# KiCad board EnvKB105-RPI.kicad_pcb (continued)
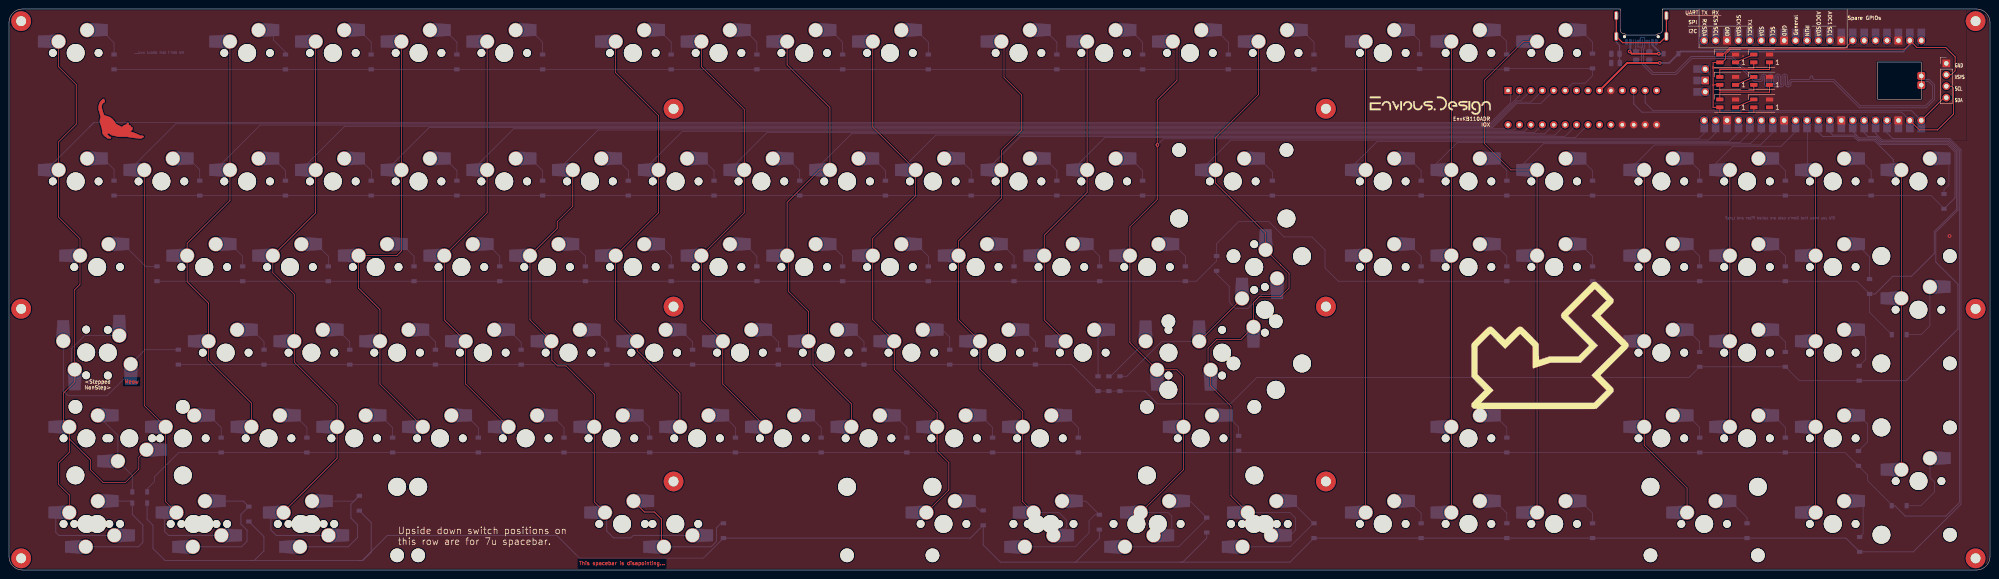
[diagram p0: board, top side]
## Nets
+3V3: U1.36
GND: C1.2 J1.1 R1.2 R5.1 R6.1 rgb1.2 rgb2.2 rgb3.2 rgb4.2 rgb5.2 rgb6.2 U1.3 U1.8 U1.13 U1.18 U1.23 U1.28 U1.33 U1.38 U2.10 U2.15 U2.16 U2.17 U2.18 USB1.A1 USB1.A12 USB1.B1 USB1.B12
VBUS: D1.2 USB1.A4 USB1.A9 USB1.B4 USB1.B9
col0: K_12.1 K_28.1 K_49.1 K_70.1 K_70B1.1 K_86.1 K_104.1 K_104B1.1 K_ANSI_1.1 U2.1
col1: K_29.1 K_87.1 K_105.1 K_105B1.1 U2.2
col2: K_13.1 K_30.1 K_50.1 K_71.1 K_88.1 U2.3
col3: K_14.1 K_31.1 K_51.1 K_72.1 K_89.1 K_106.1 K_106B1.1 U2.4
col4: K_15.1 K_32.1 K_52.1 K_73.1 K_90.1 U2.5
col5: K_16.1 K_33.1 K_53.1 K_74.1 K_91.1 U2.28
col6: K_34.1 K_54.1 K_75.1 K_92.1 K_107.1 K_107B1.1 U2.27
col7: K_17.1 K_35.1 K_55.1 K_76.1 K_93.1 U2.26
col8: K_18.1 K_36.1 K_56.1 K_77.1 K_94.1 U2.25
col9: K_19.1 K_37.1 K_57.1 K_78.1 K_95.1 U2.24
col10: K_20.1 K_38.1 K_58.1 K_79.1 K_96.1 K_108.1 U2.23
col11: K_21.1 K_39.1 K_59.1 K_80.1 K_97.1 K_108B1.1 K_109.1 U2.22
col12: K_22.1 K_40.1 K_60.1 K_81.1 U2.21
col13: K_23.1 K_61.1 K_82.1 K_98.1 K_109B1.1 K_110.1 U1.20
col14: K_24.1 K_41.1 K_62.1 K_111.1 K_111B1.1 K_ANSI_2.1 K_ANSI_3.1 U1.19
col15: K_25.1 K_42.1 K_63.1 K_112.1 U1.17
col16: K_26.1 K_43.1 K_64.1 K_99.1 K_113.1 U1.16
col17: K_27.1 K_44.1 K_65.1 K_114.1 U1.15
col19: K_45.1 K_66.1 K_83.1 K_100.1 K_115.1 U1.14
col20: K_46.1 K_67.1 K_84.1 K_101.1 U1.12
col21: K_47.1 K_68.1 K_85.1 K_102.1 K_116.1 U1.11
col22: K_48.1 K_69.1 K_103.1 U1.10
GP28-LED: rgb1.3 U1.34
I2C_SCL-1: J1.3 U1.2 U2.12
I2C_SDA-1: J1.4 U1.1 U2.13
row1: D_12.1 D_13.1 D_14.1 D_15.1 D_16.1 D_17.1 D_18.1 D_19.1 D_20.1 D_21.1 D_22.1 D_23.1 D_24.1 D_25.1 D_26.1 D_27.1 U2.6
row3: D_28.1 D_29.1 D_30.1 D_31.1 D_32.1 D_33.1 D_34.1 D_35.1 D_36.1 D_37.1 D_38.1 D_39.1 D_40.1 D_41.1 D_42.1 D_43.1 D_44.1 D_45.1 D_46.1 D_47.1 D_48.1 U1.9
row4: D_49.1 D_50.1 D_51.1 D_52.1 D_53.1 D_54.1 D_55.1 D_56.1 D_57.1 D_58.1 D_59.1 D_60.1 D_61.1 D_63.1 D_64.1 D_65.1 D_66.1 D_67.1 D_68.1 D_69.1 D_117.1 U1.7
row5: D_62.1 D_70.1 D_71.1 D_72.1 D_73.1 D_74.1 D_75.1 D_76.1 D_77.1 D_78.1 D_79.1 D_80.1 D_81.1 D_82.1 D_83.1 D_84.1 D_85.1 U1.6
row6: D_86.1 D_87.1 D_88.1 D_89.1 D_90.1 D_91.1 D_92.1 D_93.1 D_94.1 D_95.1 D_96.1 D_97.1 D_98.1 D_99.1 D_100.1 D_101.1 D_102.1 D_103.1 U1.5
row7: D_104.1 D_105.1 D_106.1 D_107.1 D_108.1 D_109.1 D_110.1 D_111.1 D_112.1 D_113.1 D_114.1 D_115.1 D_116.1 U1.4
USB_D+: U1.TP3 USB1.A6 USB1.B6
USB_D-: U1.TP2 USB1.A7 USB1.B7
VSYS: D1.1 J1.2 rgb1.4 rgb2.4 rgb3.4 rgb4.4 rgb5.4 rgb6.4 U1.39 U2.9
Net-(C1-Pad1): C1.1 R1.1 USB1.S1
Net-(D_12-Pad2): D_12.2 K_12.2
Net-(D_13-Pad2): D_13.2 K_13.2
Net-(D_14-Pad2): D_14.2 K_14.2
Net-(D_15-Pad2): D_15.2 K_15.2
Net-(D_16-Pad2): D_16.2 K_16.2
Net-(D_17-Pad2): D_17.2 K_17.2
Net-(D_18-Pad2): D_18.2 K_18.2
Net-(D_19-Pad2): D_19.2 K_19.2
Net-(D_20-Pad2): D_20.2 K_20.2
Net-(D_21-Pad2): D_21.2 K_21.2
Net-(D_22-Pad2): D_22.2 K_22.2
Net-(D_23-Pad2): D_23.2 K_23.2
Net-(D_24-Pad2): D_24.2 K_24.2
Net-(D_25-Pad2): D_25.2 K_25.2
Net-(D_26-Pad2): D_26.2 K_26.2
Net-(D_27-Pad2): D_27.2 K_27.2
Net-(D_28-Pad2): D_28.2 K_28.2
Net-(D_29-Pad2): D_29.2 K_29.2
Net-(D_30-Pad2): D_30.2 K_30.2
Net-(D_31-Pad2): D_31.2 K_31.2
Net-(D_32-Pad2): D_32.2 K_32.2
Net-(D_33-Pad2): D_33.2 K_33.2
Net-(D_34-Pad2): D_34.2 K_34.2
Net-(D_35-Pad2): D_35.2 K_35.2
Net-(D_36-Pad2): D_36.2 K_36.2
Net-(D_37-Pad2): D_37.2 K_37.2
Net-(D_38-Pad2): D_38.2 K_38.2
Net-(D_39-Pad2): D_39.2 K_39.2
Net-(D_40-Pad2): D_40.2 K_40.2
Net-(D_41-Pad2): D_41.2 K_41.2
Net-(D_42-Pad2): D_42.2 K_42.2
Net-(D_43-Pad2): D_43.2 K_43.2
Net-(D_44-Pad2): D_44.2 K_44.2
Net-(D_45-Pad2): D_45.2 K_45.2
Net-(D_46-Pad2): D_46.2 K_46.2
Net-(D_47-Pad2): D_47.2 K_47.2
Net-(D_48-Pad2): D_48.2 K_48.2
Net-(D_49-Pad2): D_49.2 K_49.2
Net-(D_50-Pad2): D_50.2 K_50.2
Net-(D_51-Pad2): D_51.2 K_51.2
Net-(D_52-Pad2): D_52.2 K_52.2
Net-(D_53-Pad2): D_53.2 K_53.2
Net-(D_54-Pad2): D_54.2 K_54.2
Net-(D_55-Pad2): D_55.2 K_55.2
Net-(D_56-Pad2): D_56.2 K_56.2
Net-(D_57-Pad2): D_57.2 K_57.2
Net-(D_58-Pad2): D_58.2 K_58.2
Net-(D_59-Pad2): D_59.2 K_59.2
Net-(D_60-Pad2): D_60.2 K_60.2
Net-(D_61-Pad2): D_61.2 K_61.2
Net-(D_62-Pad2): D_62.2 K_62.2 K_ANSI_2.2
Net-(D_63-Pad2): D_63.2 K_63.2
Net-(D_64-Pad2): D_64.2 K_64.2
Net-(D_65-Pad2): D_65.2 K_65.2
Net-(D_66-Pad2): D_66.2 K_66.2
Net-(D_67-Pad2): D_67.2 K_67.2
Net-(D_68-Pad2): D_68.2 K_68.2
Net-(D_69-Pad2): D_69.2 K_69.2
Net-(D_70-Pad2): D_70.2 K_70.2 K_70B1.2
Net-(D_71-Pad2): D_71.2 K_71.2
Net-(D_72-Pad2): D_72.2 K_72.2
Net-(D_73-Pad2): D_73.2 K_73.2
Net-(D_74-Pad2): D_74.2 K_74.2
Net-(D_75-Pad2): D_75.2 K_75.2
Net-(D_76-Pad2): D_76.2 K_76.2
Net-(D_77-Pad2): D_77.2 K_77.2
Net-(D_78-Pad2): D_78.2 K_78.2
Net-(D_79-Pad2): D_79.2 K_79.2
Net-(D_80-Pad2): D_80.2 K_80.2
Net-(D_81-Pad2): D_81.2 K_81.2
Net-(D_82-Pad2): D_82.2 K_82.2
Net-(D_83-Pad2): D_83.2 K_83.2
Net-(D_84-Pad2): D_84.2 K_84.2
Net-(D_85-Pad2): D_85.2 K_85.2
Net-(D_86-Pad2): D_86.2 K_86.2 K_ANSI_1.2
Net-(D_87-Pad2): D_87.2 K_87.2
Net-(D_88-Pad2): D_88.2 K_88.2
Net-(D_89-Pad2): D_89.2 K_89.2
Net-(D_90-Pad2): D_90.2 K_90.2
Net-(D_91-Pad2): D_91.2 K_91.2
Net-(D_92-Pad2): D_92.2 K_92.2
Net-(D_93-Pad2): D_93.2 K_93.2
Net-(D_94-Pad2): D_94.2 K_94.2
Net-(D_95-Pad2): D_95.2 K_95.2
Net-(D_96-Pad2): D_96.2 K_96.2
Net-(D_97-Pad2): D_97.2 K_97.2
Net-(D_98-Pad2): D_98.2 K_98.2
Net-(D_99-Pad2): D_99.2 K_99.2
Net-(D_100-Pad2): D_100.2 K_100.2
Net-(D_101-Pad2): D_101.2 K_101.2
Net-(D_102-Pad2): D_102.2 K_102.2
Net-(D_103-Pad2): D_103.2 K_103.2
Net-(D_104-Pad2): D_104.2 K_104.2 K_104B1.2
Net-(D_105-Pad2): D_105.2 K_105.2 K_105B1.2
Net-(D_106-Pad2): D_106.2 K_106.2 K_106B1.2
Net-(D_107-Pad2): D_107.2 K_107.2 K_107B1.2
Net-(D_108-Pad2): D_108.2 K_108.2
Net-(D_109-Pad2): D_109.2 K_108B1.2 K_109.2
Net-(D_110-Pad2): D_110.2 K_109B1.2 K_110.2
Net-(D_111-Pad2): D_111.2 K_111.2 K_111B1.2
Net-(D_112-Pad2): D_112.2 K_112.2
Net-(D_113-Pad2): D_113.2 K_113.2
Net-(D_114-Pad2): D_114.2 K_114.2
Net-(D_115-Pad2): D_115.2 K_115.2
Net-(D_116-Pad2): D_116.2 K_116.2
Net-(D_117-Pad2): D_117.2 K_ANSI_3.2
Net-(R5-Pad2): R5.2 USB1.A5
Net-(R6-Pad2): R6.2 USB1.B5
Net-(rgb1-Pad1): rgb1.1 rgb2.3
Net-(rgb2-Pad1): rgb2.1 rgb3.3
Net-(rgb3-Pad1): rgb3.1 rgb4.3
Net-(rgb4-Pad1): rgb4.1 rgb5.3
Net-(rgb5-Pad1): rgb5.1 rgb6.3

Pads without a net: H1 1; H2 1; H3 1; H4 1; H5 1; H6 1; H7 1; H8 1; H9 1; H10 1; H11 1; H12 1; rgb6 1; U1 21 22 24 25 26 27 29 30 31 32 35 37 40 41 42 43; U2 7 8 11 14 19 20; USB1 A8 B8

## Via types
v1: diameter 0.8, hole 0.4, Top to Bottom, 5 vias
v2: diameter 0.4, hole 0.2, Top to Bottom, 1 via

## Routing (per net, layer and track width the routed paths; a pad name or vN(x,y) marks a point on that pad's centre or on a via; arc(x,y) is an arc through that point)
GND:
  vias: v1(431.3,74.3) v2(385.39,114.31)
VBUS: length 13.1
  Top w0.4: v1(360.2,115.35) 360.7,114.85 v1(366.7,114.85)
  Bottom w0.4: USB1.A4 360.35,115.5 v1(360.2,115.35) ; USB1.A9 365.25,116.79 366.7,115.34 v1(366.7,114.85) D1.2
col0: length 511.1
  Top w0.15: 13.4,29.2 18.08,24.51 18.08,22.31 20.88,19.51 25.91,19.51 28.86,22.46 28.86,25.08 30.55,26.77 ; 13.4,29.2 K_86.1 12.1,33.14 12.1,39.35 14.61,41.86 K_70B1.1 14.61,62.36 15.78,63.53 K_49.1 15.78,73.72 11.02,78.48 K_28.1 11.02,95.25 14.94,99.18 14.94,108.01 11.02,111.93 K_12.1 ; 13.4,29.2 13.4,26.18 11.04,23.82 11.04,19.06 13.4,16.7 K_104.1
  Bottom w0.15: 17.95,98.63 18.85,99.52 ; 17.95,98.63 8.31,88.99 ; 17.95,98.63 18.86,99.54 329.34,99.54 333.71,103.91 333.71,106.13 ; K_70.1 16.81,52.16 13.85,49.2 13.85,45.35 K_70B1.1
  Bottom w0.2: K_104.1 10.4,11.59 10.4,8.4 11.09,7.71 K_104B1.1
col1: length 412.5
  Top w0.15: K_29.1 30.07,36.6 K_87.1 34.83,15.17 K_105.1
  Bottom w0.15: 26.79,88.99 37.06,99.26 329.45,99.26 335.72,105.53 U2.2
  Bottom w0.2: K_105B1.1 35.44,7.71 34.6,8.55 34.6,11.98
col2: length 395.3
  Top w0.15: K_88.1 53.88,37.15 44.35,46.68 K_71.1 44.35,59.37 39.59,64.13 K_50.1 39.59,72.67 49.12,82.19 49.12,117.56
  Bottom w0.15: U2.3 335.97,104.37 334.95,104.37 329.57,98.99 55.84,98.99 45.84,88.99
col3: length 418.8
  Top w0.15: K_14.1 K_31.1 68.17,79.46 K_51.1 58.64,66.11 63.4,61.35 K_72.1 63.4,46.27 72.93,36.74 K_89.1 72.93,24.85 61.02,12.94
  Bottom w0.15: U2.4 338.23,104.1 335.07,104.1 329.68,98.71 74.61,98.71 64.89,88.99
  Bottom w0.2: K_106B1.1 59.39,7.71 58.2,8.9 58.2,11.77
col4: length 367.3
  Top w0.15: K_15.1 K_32.1 87.22,70.96 86.19,69.94 K_52.1 77.69,62.7 82.45,57.94 K_73.1 82.45,41.36 K_90.1
  Bottom w0.15: U2.5 340.5,103.82 335.18,103.82 329.79,98.43 93.38,98.43 83.94,88.99
col5: length 329.9
  Top w0.15: K_91.1 101.5,41.36 K_74.1 96.74,55.65 K_53.1 106.27,79.46 K_33.1 K_16.1
  Bottom w0.15: U2.28 332.29,98.16 112.16,98.16 102.99,88.99
col6: length 329.5
  Top w0.15: K_34.1 125.32,80.93 121.84,77.46 121.84,75.99 K_54.1 115.79,55.65 K_75.1 ; 120.66,50.78 120.66,46.67 121.94,45.39 123.82,45.39 130.08,39.13 K_92.1 130.08,15.17 K_107.1
  Bottom w0.15: 122.04,88.99 130.93,97.88 334.56,97.88 U2.27
  Bottom w0.2: 132.85,12.4 132.85,8.65 134.35,7.15 138.2,7.15 138.76,7.71 K_107B1.1
col7: length 300.9
  Top w0.15: K_93.1 149.13,39.25 139.6,48.78 K_76.1 134.84,55.65 K_55.1 144.37,79.46 K_35.1 144.37,101.09 134.84,110.62 K_17.1
  Bottom w0.15: 141.09,88.99 149.7,97.6 336.82,97.6 U2.26
col8: length 284.3
  Top w0.15: K_94.1 158.65,41.36 K_77.1 153.89,55.65 K_56.1 163.42,79.46 K_36.1 163.42,102.45 153.89,111.98 K_18.1
  Bottom w0.15: 160.14,88.99 168.46,97.31 184.58,97.31 184.6,97.33 339.08,97.33 U2.25
col9: length 267.3
  Top w0.15: 173.3,69.58 173.3,61.9 177.7,57.5 K_78.1 ; K_95.1 187.23,36.97 178.7,45.5 178.7,49.89 ; K_57.1 172.94,81.76 180.17,88.99 K_37.1 182.46,102.88 172.94,112.4 K_19.1
  Bottom w0.15: 179.19,88.99 187.25,97.05 341.35,97.05 U2.24
col10: length 273.5
  Top w0.15: K_108.1 208.9,17.79 208.9,23.9 206.28,26.52 206.28,28.13 ; K_20.1 191.99,98.52 K_38.1 201.51,83.28 191.99,73.76 K_58.1 191.99,55.65 K_79.1 196.75,44.62 206.28,35.09 K_96.1
  Top w0.2: 206.28,28.13 K_96.1
  Bottom w0.15: 198.24,88.99 206.01,96.76 343.59,96.76 U2.23
col11: length 266.9
  Top w0.15: K_109.1 225.33,15.17 K_97.1 225.33,35.17 215.8,44.7 K_80.1 211.04,55.65 K_59.1 211.04,73.2 220.56,82.72 K_39.1 220.56,93.31 225.1,97.85 225.1,105.65 221.15,109.6 221.15,116.97 K_21.1
  Bottom w0.15: 233.26,7.71 235.1,9.55 235.1,11.05 233.36,12.79 K_109.1 ; U2.22 345.86,96.48 224.78,96.48 217.29,88.99
col12: length 191.4
  Top w0.15: K_22.1 K_40.1 239.62,83.97 230.09,74.45 K_60.1 230.09,55.65 K_81.1
  Bottom w0.15: U2.21 348.12,96.2 243.55,96.2 236.34,88.99
col13: length 257.3
  Top w0.15: 259.6,116.62 259.6,108.91 255.2,104.51 255.2,94.6 v1(255.25,94.55) 255.2,94.5 255.2,82.39 249.14,76.33 K_61.1 249.14,50.57 K_82.1 259.61,44.54 261.05,43.1 K_98.1 261.05,22.31 K_110.1
  Bottom w0.15: K_110.1 257.61,12.79 258.45,11.95 258.45,9.4 256.76,7.71 ; v1(255.25,94.55) 256.63,95.93 375.53,95.93 376.77,97.17 U1.20
col14: length 267.7
  Top w0.15: K_ANSI_2.1 267.08,40.97 271.6,36.45 271.6,16.52 K_111.1 ; 266.5,45.11 266.5,49.35 268.45,51.3 273.83,51.3 K_62.1 276.6,59.5 277.95,60.85 282.65,60.85 284.5,62.7 284.5,66 282.65,67.84 282.65,67.85 K_ANSI_3.1 279.3,74.96 268.19,86.07 K_41.1 268.19,96.21 277.71,105.73 K_24.1
  Bottom w0.15: 264.91,88.99 271.57,95.65 377.75,95.65 379.31,97.21 U1.19 ; 284.76,7.71 285.95,8.9 285.95,11.55 284.71,12.79 K_111.1
col15: length 196.8
  Top w0.15: K_112.1 K_25.1
  Bottom w0.15: 298.25,89.48 304.15,95.37 382.42,95.37 384.39,97.35 U1.17
col16: length 181.4
  Top w0.15: K_26.1 K_113.1
  Bottom w0.15: U1.16 386.93,97.33 384.7,95.1 321.91,95.1 317.3,90.49 317.3,88.99
col17: length 179.3
  Top w0.15: K_44.1 333.81,88.99 327.9,94.9 327.9,108.9 336.56,117.56 K_27.1 ; 339.63,89.83 K_114.1
  Bottom w0.15: 336.35,90.13 341.05,94.82 387.02,94.82 389.47,97.27 U1.15
col19: length 118.1
  Top w0.15: K_115.1 372.96,18.25 363.44,27.78 K_100.1 K_45.1
  Bottom w0.15: U1.14 392.01,97.31 389.24,94.54 365.72,94.54 360.16,88.99
col20: length 81.8
  Top w0.15: K_101.1 K_46.1
  Bottom w0.15: 379.21,88.99 379.21,90.31 383.17,94.27 393.87,94.27 397.09,97.49 U1.12
col21: length 87.1
  Top w0.15: K_47.1 K_116.1
  Bottom w0.15: K_47.1 399.74,99.9
col22: length 90.8
  Top w0.15: K_103.1 420.61,88.97
  Bottom w0.15: K_48.1 418.79,90.96
  Bottom w0.2: 418.79,90.96 418.79,91.34 414.66,95.47 410.96,95.47 410,96.42 403.13,96.42 402.17,97.38 U1.10
GP28-LED: length 30.8
  Top w0.2: rgb1.3 380.96,114.67 382.49,116.2 408.2,116.2 U1.34
I2C_SCL-1: length 85.5
  Top w0.2: J1.3 431.78,107.62 432.2,107.2 432.2,101.45 428.65,97.9 424.6,97.9 U1.2
  Bottom w0.2: U1.2 420.65,101.85 362.95,101.85 361.12,103.68 U2.12
I2C_SDA-1: length 72.9
  Top w0.2: U1.1 430.1,105.08
  Bottom w0.2: U2.13 363.66,103.94 365.42,102.18 422.86,102.18 U1.1
row1: length 337.3
  Bottom w0.15: 23.4,111.37 D_13.1 313.44,111.37 ; U2.6 347.52,108.3 350.3,108.3 351.95,109.95 D_27.1 333.07,111.58 ; 313.58,111.4 D_26.1
row3: length 453.8
  Bottom w0.15: 430.07,80.43 427.2,83.3 D_28.1
  Bottom w0.2: U1.9 404.71,97.39 405.35,96.75 410.14,96.75 411.09,95.8 414.79,95.8 415.95,94.64 430.86,94.64 432.52,92.98 432.52,82.79 D_48.1
row4: length 480.4
  Bottom w0.15: D_68.1 410.7,64.25 D_63.1 295.45,64.25 292.5,67.2 292.5,71.2 289.6,74.1 283.4,74.1 280,77.5 273.3,77.5 268.4,72.6 D_117.1 268.4,68.75 263.9,64.25 D_61.1 D_49.1 ; 410.57,96.77 409.6,97.75 ; 413.5,61.39 413.5,57.34 D_69.1
  Bottom w0.2: 410.57,96.77 410.68,96.67 ; 410.68,96.67 411.23,96.12 414.93,96.12 416.08,94.97 430.99,94.97 432.85,93.12 432.85,80.21 427.92,75.29 427.92,70.42 422.85,65.35 418.7,65.35 414.77,61.42 D_68.1 ; 410.68,96.67 409.6,97.75 409.79,97.94 U1.7
row5: length 477.6
  Bottom w0.15: 375.77,45.19 373.72,43.15 373.72,43.15 373.37,42.8 277.3,42.8 271.45,36.95 255.3,36.95 252.45,39.8 D_81.1 236.15,45.7 D_70.1 ; D_85.1 397.91,42.11 D_84.1 D_83.1
  Bottom w0.2: U1.6 412.33,97.27 413.15,96.45 415.06,96.45 416.22,95.3 431.13,95.3 433.17,93.25 433.17,80.07 428.25,75.15 428.25,68.5 433.17,63.58 433.17,53.62 421.66,42.11 D_85.1
row6: length 516.7
  Bottom w0.15: 418.46,14.5 413.1,19.86 413.1,21.12 D_102.1 408.07,26.15 374.64,26.15 374.62,26.17 374.6,26.15 37.75,26.15 32.33,20.72 32.33,19.65 30.7,18.03 D_86.1
  Bottom w0.2: D_103.1 419.15,14.3 421.45,12 430.5,12 433.5,15 433.5,93.39 431.26,95.62 416.35,95.62 414.87,97.1 U1.5
row7: length 579
  Bottom w0.15: 125.9,3.55 126.8,2.65 154.35,2.65 154.98,3.28
  Bottom w0.2: 154.98,3.28 D_107.1 213.68,7.1 D_108.1 216.52,5.57 220.35,1.75 236.95,1.75 ; 260.35,1.75 260.89,1.75 266.2,7.06 D_110.1 ; 260.35,1.75 284.7,1.75 D_111.1 D_112.1 D_113.1 D_114.1 D_115.1 408.27,7.1 D_116.1 423.24,4.04 433.85,14.65 433.85,93.5 431.4,95.95 418.7,95.95 417.41,97.24 U1.4 ; 260.35,1.75 236.95,1.75 ; 53.7,2.1 77.75,2.1 ; 53.7,2.1 34.7,2.1 32,4.8 32,9.95 30.7,11.25 D_104.1 ; 53.7,2.1 54.5,2.1 56.65,4.25 56.65,7.45 D_105.1 ; 77.75,2.1 78.5,2.1 84.1,7.7 121.75,7.7 125.9,3.55 ; 77.75,2.1 78.65,2.1 80.5,3.95 80.5,10.55 D_106.1 ; 236.95,1.75 237.07,1.75 242.35,7.03 D_109.1
USB_D+: length 103.1
  Bottom w0.2: USB1.A6 362.55,118.5 363.55,118.5 USB1.B6 363.55,116.15 363.27,115.88 363.27,112.84 365.44,110.67 370.31,110.67 373.86,114.22 382.99,114.22 388.1,109.12 389.23,109.12 arc(389.35,109.17) 389.4,109.28 389.4,109.71 arc(389.58,110.14) 390.01,110.32 arc(390.44,110.14) 390.62,109.71 390.62,108.08 arc(390.67,107.96) 390.79,107.91 arc(390.9,107.96) 390.95,108.08 390.95,109.71 arc(391.13,110.14) 391.56,110.32 arc(392,110.14) 392.18,109.71 392.18,108.08 arc(392.22,107.96) 392.34,107.91 arc(392.46,107.96) 392.5,108.08 392.5,109.71 arc(392.68,110.14) 393.12,110.32 arc(393.55,110.14) 393.73,109.71 393.73,108.08 arc(393.78,107.96) 393.89,107.91 arc(394.01,107.96) 394.06,108.08 394.06,109.71 arc(394.24,110.14) 394.67,110.32 arc(395.11,110.14) 395.29,109.71 395.29,108.08 arc(395.33,107.96) 395.45,107.91 arc(395.56,107.96) 395.61,108.08 395.61,108.5 arc(395.79,108.94) 396.23,109.12 400.03,109.12 arc(400.24,109.21) 400.33,109.42 400.33,109.63 arc(400.42,109.84) 400.63,109.93 arc(400.84,109.84) 400.93,109.63 400.93,109.42 arc(401.02,109.21) 401.23,109.12 405.6,109.12 411.44,103.27 425.96,103.27 427.52,104.84 427.52,107.76 426.61,108.67 425.82,108.67 U1.TP3
USB_D-: length 103.2
  Bottom w0.2: U1.TP2 425.82,109.13 426.79,109.13 427.97,107.94 427.97,104.66 426.14,102.82 411.26,102.82 405.41,108.67 396.23,108.67 arc(396.11,108.62) 396.06,108.5 396.06,108.08 arc(395.88,107.64) 395.45,107.46 arc(395.01,107.64) 394.84,108.08 394.84,109.71 arc(394.79,109.82) 394.67,109.87 arc(394.56,109.82) 394.51,109.71 394.51,108.08 arc(394.33,107.64) 393.89,107.46 arc(393.46,107.64) 393.28,108.08 393.28,109.71 arc(393.23,109.82) 393.12,109.87 arc(393,109.82) 392.95,109.71 392.95,108.08 arc(392.77,107.64) 392.34,107.46 arc(391.91,107.64) 391.73,108.08 391.73,109.71 arc(391.68,109.82) 391.56,109.87 arc(391.45,109.82) 391.4,109.71 391.4,108.08 arc(391.22,107.64) 390.79,107.46 arc(390.35,107.64) 390.17,108.08 390.17,109.71 arc(390.13,109.82) 390.01,109.87 arc(389.89,109.82) 389.85,109.71 389.85,109.28 arc(389.67,108.85) 389.23,108.67 387.91,108.67 382.81,113.77 374.04,113.77 370.49,110.22 365.26,110.22 362.85,112.63 362.85,116.15 363.05,116.35 ; 363.05,116.35 USB1.A7 ; 363.05,116.35 362.05,116.35 USB1.B7
VSYS: length 181.3
  Top w0.2: rgb2.4 387.8,111.68 378.75,111.68 378.75,112 ; rgb6.4 387.8,101.75 380.25,101.75 rgb5.4 378.75,102.92 378.75,107.8 ; 378.75,107.8 378.75,112 ; 378.75,107.8 378.75,107.92 rgb3.4 380.25,106.63 387.8,106.63 rgb4.4 ; 378.75,112 378.75,112.92 rgb1.4 ; 380.77,112.92 381.55,113.7 381.55,114.8 382.62,115.87 421.37,115.87 422.49,116.99 U1.39 424.03,116.25 430.45,116.25 432.55,114.15 432.55,111.05 431.66,110.16 J1.2
  Top w0.4: U2.9 359.64,112.8 v1(366.9,112.8)
  Bottom w0.4: U1.39 422.49,116.84 420.99,115.34 371.54,115.34 D1.1 369,112.8 v1(366.9,112.8)
Net-(C1-Pad1): length 27.8
  Top w0.25: 357.22,123.32 357.22,118.72 358.64,117.3 366.95,117.3 USB1.S1 USB1.S1
  Bottom w0.25: C1.1 357.96,112.83 R1.1 357.96,116.69 357.22,117.42 357.22,118.72
Net-(D_12-Pad2): length 6.4
  Bottom w0.15: 20.67,119.95 23.35,117.27 23.35,114.67
Net-(D_13-Pad2): length 6.5
  Bottom w0.15: 58.77,120.1 58.77,117.91 61.45,115.22 D_13.2
Net-(D_14-Pad2): length 6.5
  Bottom w0.15: D_14.2 80.5,117.42 77.82,120.1
Net-(D_15-Pad2): length 6.5
  Bottom w0.15: 96.87,120.1 99.55,117.42 D_15.2
Net-(D_16-Pad2): length 6.5
  Bottom w0.15: 115.92,120.1 118.6,117.42 D_16.2
Net-(D_17-Pad2): length 6.5
  Bottom w0.15: D_17.2 147.18,117.42 144.49,120.1
Net-(D_18-Pad2): length 6.5
  Bottom w0.15: D_18.2 166.23,117.42 163.54,120.1
Net-(D_19-Pad2): length 6.5
  Bottom w0.15: D_19.2 185.27,117.42 182.59,120.1
Net-(D_20-Pad2): length 6.5
  Bottom w0.15: 201.64,120.1 204.32,117.42 D_20.2
Net-(D_21-Pad2): length 6.5
  Bottom w0.15: 230.22,120.1 232.9,117.42 D_21.2
Net-(D_22-Pad2): length 6.5
  Bottom w0.15: 249.27,120.1 251.95,117.42 D_22.2
Net-(D_23-Pad2): length 6.5
  Bottom w0.15: 268.32,120.1 271,117.42 D_23.2
Net-(D_24-Pad2): length 6.5
  Bottom w0.15: D_24.2 290.05,117.42 287.37,120.1
Net-(D_25-Pad2): length 6.3
  Bottom w0.15: D_25.2 313.52,117.76 311.18,120.1
Net-(D_26-Pad2): length 6.5
  Bottom w0.15: D_26.2 332.89,117.57 330.35,120.1
Net-(D_27-Pad2): length 6.3
  Bottom w0.15: D_27.2 351.95,117.43 349.28,120.1
Net-(D_28-Pad2): length 5.9
  Bottom w0.15: 20.93,91.53 23.35,89.11 D_28.2
Net-(D_29-Pad2): length 6
  Bottom w0.15: D_29.2 42.4,89.06 39.93,91.53
Net-(D_30-Pad2): length 6
  Bottom w0.15: D_30.2 61.45,88.85 58.77,91.53
Net-(D_31-Pad2): length 5.8
  Bottom w0.15: 77.82,91.53 80.61,88.74 80.61,87.07 80.5,86.96
Net-(D_32-Pad2): length 6
  Bottom w0.15: D_32.2 99.55,88.85 96.87,91.53
Net-(D_33-Pad2): length 6
  Bottom w0.15: D_33.2 118.6,88.85 115.92,91.53
Net-(D_34-Pad2): length 6
  Bottom w0.15: D_34.2 137.65,88.85 134.97,91.53
Net-(D_35-Pad2): length 6
  Bottom w0.15: 154.02,91.53 156.7,88.85 D_35.2
Net-(D_36-Pad2): length 6
  Bottom w0.15: D_36.2 175.75,88.85 173.07,91.53
Net-(D_37-Pad2): length 6
  Bottom w0.15: 192.12,91.53 194.8,88.85 D_37.2
Net-(D_38-Pad2): length 6
  Bottom w0.15: 211.17,91.53 213.85,88.85 D_38.2
Net-(D_39-Pad2): length 6
  Bottom w0.15: D_39.2 232.9,88.85 230.22,91.53
Net-(D_40-Pad2): length 6
  Bottom w0.15: D_40.2 251.95,88.85 249.27,91.53
Net-(D_41-Pad2): length 6.2
  Bottom w0.15: D_41.2 280.8,88.57 277.84,91.53
Net-(D_42-Pad2): length 6
  Bottom w0.15: 311.18,91.53 313.86,88.85 D_42.2
Net-(D_43-Pad2): length 6
  Bottom w0.15: D_43.2 332.91,88.85 330.23,91.53
Net-(D_44-Pad2): length 6
  Bottom w0.15: 349.28,91.53 351.96,88.85 D_44.2
Net-(D_45-Pad2): length 6
  Bottom w0.15: D_45.2 375.77,88.85 375.77,88.85 373.09,91.53
Net-(D_46-Pad2): length 6
  Bottom w0.15: 392.14,91.53 394.82,88.85 D_46.2
Net-(D_47-Pad2): length 6
  Bottom w0.15: 411.19,91.53 413.88,88.85 D_47.2
Net-(D_48-Pad2): length 7.4
  Bottom w0.15: 431.17,90.6 431.17,85.67 430.07,84.57 D_48.2
Net-(D_49-Pad2): length 9.5
  Bottom w0.15: D_49.2 30.36,67.55 25.43,72.48
Net-(D_50-Pad2): length 6
  Bottom w0.15: D_50.2 51.92,69.8 49.24,72.48
Net-(D_51-Pad2): length 6
  Bottom w0.15: D_51.2 70.98,69.8 68.29,72.48
Net-(D_52-Pad2): length 6
  Bottom w0.15: D_52.2 90.03,69.8 87.34,72.48
Net-(D_53-Pad2): length 6
  Bottom w0.15: D_53.2 109.08,69.8 106.39,72.48
Net-(D_54-Pad2): length 6
  Bottom w0.15: 125.44,72.48 128.12,69.8 D_54.2
Net-(D_55-Pad2): length 6
  Bottom w0.15: 144.49,72.48 147.18,69.8 D_55.2
Net-(D_56-Pad2): length 6
  Bottom w0.15: D_56.2 166.23,69.8 163.54,72.48
Net-(D_57-Pad2): length 6
  Bottom w0.15: D_57.2 185.27,69.8 182.59,72.48
Net-(D_58-Pad2): length 6
  Bottom w0.15: D_58.2 204.32,69.8 201.64,72.48
Net-(D_59-Pad2): length 6
  Bottom w0.15: D_59.2 223.38,69.8 220.69,72.48
Net-(D_60-Pad2): length 6
  Bottom w0.15: D_60.2 242.43,69.8 239.74,72.48
Net-(D_61-Pad2): length 6
  Bottom w0.15: 258.79,72.48 261.47,69.8 D_61.2
Net-(D_62-Pad2): length 34.3
  Top w0.15: K_ANSI_2.2 274.06,60.4
  Bottom w0.15: K_ANSI_2.2 256.23,50.88 248.45,43.1 D_62.2
Net-(D_63-Pad2): length 6
  Bottom w0.15: D_63.2 313.86,69.8 311.18,72.48
Net-(D_64-Pad2): length 6
  Bottom w0.15: D_64.2 332.91,69.8 330.23,72.48
Net-(D_65-Pad2): length 6
  Bottom w0.15: 349.28,72.48 351.96,69.8 D_65.2
Net-(D_66-Pad2): length 6
  Bottom w0.15: D_66.2 375.77,69.8 373.09,72.48
Net-(D_67-Pad2): length 6
  Bottom w0.15: 392.14,72.48 394.82,69.8 D_67.2
Net-(D_68-Pad2): length 8.3
  Bottom w0.15: 411.19,72.01 413.53,69.67 D_68.2
Net-(D_69-Pad2): length 14.6
  Bottom w0.15: D_69.2 425,52.37 426.94,54.31 K_69.2
Net-(D_70-Pad2): length 40.6
  Bottom w0.15: K_70.2 30.24,49 D_70.2 ; K_70B1.2 12.07,39.83 13.15,38.75 21.79,38.75 K_70.2
Net-(D_71-Pad2): length 5.5
  Bottom w0.15: D_71.2 56.69,50.75 54,53.43
Net-(D_72-Pad2): length 5.5
  Bottom w0.15: D_72.2 75.74,50.75 73.05,53.43
Net-(D_73-Pad2): length 5.5
  Bottom w0.15: 92.1,53.43 94.79,50.75 D_73.2
Net-(D_74-Pad2): length 5.4
  Bottom w0.15: 111.15,53.31 113.84,50.62 D_74.2
Net-(D_75-Pad2): length 5.5
  Bottom w0.15: 130.2,53.43 132.89,50.75 D_75.2
Net-(D_76-Pad2): length 5.5
  Bottom w0.15: D_76.2 151.94,50.75 149.25,53.43
Net-(D_77-Pad2): length 5.5
  Bottom w0.15: D_77.2 170.99,50.75 168.3,53.43
Net-(D_78-Pad2): length 5.5
  Bottom w0.15: 187.35,53.43 190.04,50.75 D_78.2
Net-(D_79-Pad2): length 5.1
  Bottom w0.15: 207.47,53.43 209.09,51.81 D_79.2
Net-(D_80-Pad2): length 5.5
  Bottom w0.15: 225.45,53.43 228.14,50.75 D_80.2
Net-(D_81-Pad2): length 9.5
  Bottom w0.15: D_81.2 242.05,52.58
Net-(D_82-Pad2): length 11
  Bottom w0.15: 244.84,43.1 K_82.2
Net-(D_83-Pad2): length 6
  Bottom w0.15: D_83.2 375.77,50.75 373.09,53.43
Net-(D_84-Pad2): length 6
  Bottom w0.15: D_84.2 394.82,50.75 392.14,53.43
Net-(D_85-Pad2): length 9.1
  Bottom w0.15: D_85.2 412.7,46.89 412.7,51.76 411.19,53.27
Net-(D_86-Pad2): length 20.2
  Bottom w0.15: K_86.2 24.2,29.93 24.2,24.23 27.4,21.03 D_86.2
Net-(D_87-Pad2): length 6
  Bottom w0.15: D_87.2 47.16,31.7 44.48,34.38
Net-(D_88-Pad2): length 6
  Bottom w0.15: 63.53,34.38 66.21,31.7 D_88.2
Net-(D_89-Pad2): length 6
  Bottom w0.15: 82.58,34.35 85.26,31.67 D_89.2
Net-(D_90-Pad2): length 6
  Bottom w0.15: 101.63,34.38 104.31,31.7 D_90.2
Net-(D_91-Pad2): length 6
  Bottom w0.15: D_91.2 123.36,31.7 120.68,34.38
Net-(D_92-Pad2): length 6
  Bottom w0.15: D_92.2 142.41,31.7 139.73,34.38
Net-(D_93-Pad2): length 6
  Bottom w0.15: D_93.2 161.46,31.7 158.78,34.38
Net-(D_94-Pad2): length 6
  Bottom w0.15: 177.83,34.38 180.51,31.7 D_94.2
Net-(D_95-Pad2): length 6
  Bottom w0.15: D_95.2 199.56,31.7 196.88,34.38
Net-(D_96-Pad2): length 6
  Bottom w0.15: D_96.2 218.61,31.7 215.93,34.38
Net-(D_97-Pad2): length 6
  Bottom w0.15: D_97.2 237.66,31.7 234.98,34.38
Net-(D_98-Pad2): length 5.6
  Bottom w0.15: 270.7,34.38 273.3,31.78 D_98.2
Net-(D_99-Pad2): length 6
  Bottom w0.15: D_99.2 332.91,31.7 330.23,34.38
Net-(D_100-Pad2): length 6
  Bottom w0.15: 373.09,34.38 375.77,31.7 D_100.2
Net-(D_101-Pad2): length 6
  Bottom w0.15: D_101.2 394.82,31.7 392.14,34.38
Net-(D_102-Pad2): length 9.6
  Bottom w0.15: 411.19,34.38 413.1,32.47 413.1,28.5 D_102.2
Net-(D_103-Pad2): length 15.4
  Bottom w0.15: D_103.2 424.93,14.3 428,17.37 428,19.54 426.96,20.58 K_103.2
Net-(D_104-Pad2): length 30.7
  Bottom w0.2: K_104B1.2 28.77,5.17 29.75,6.15 29.75,10 27.4,12.35 D_104.2 26.97,15.33 K_104.2
Net-(D_105-Pad2): length 31.8
  Bottom w0.2: K_105.2 52.07,15.33 D_105.2 51.55,12.35 51.55,10.2 52.9,8.85 52.9,6.4 51.67,5.17 K_105B1.2
Net-(D_106-Pad2): length 31.1
  Bottom w0.15: D_106.2 76.68,15.33 71.57,15.33
  Bottom w0.2: D_106.2 76,14.65 76,11.55 77.45,10.1 77.45,7.2 75.42,5.17 K_106B1.2
Net-(D_107-Pad2): length 30.7
  Top w0.2: K_107.2 141.24,12.9 143.45,12.9 145,11.35 145,5.73
  Bottom w0.2: D_107.2 158.25,10.4 157.25,9.4 157.25,6.35 156.07,5.17 K_107B1.2
Net-(D_108-Pad2): length 3.7
  Bottom w0.15: D_108.2 215.76,13.25 213.68,15.33
Net-(D_109-Pad2): length 30.6
  Bottom w0.15: K_109.2 239.32,15.33 D_109.2 241.4,12.3 240.05,10.95 240.05,8.25 236.97,5.17 K_108B1.2
Net-(D_110-Pad2): length 30.6
  Bottom w0.15: D_110.2 262.52,15.33 K_110.2 ; K_109B1.2 259.97,5.17 266.2,11.4
Net-(D_111-Pad2): length 26.7
  Bottom w0.15: 289.92,10.4 284.99,15.33 ; 289.95,10.4 284.72,5.17 K_111B1.2
Net-(D_112-Pad2): length 6
  Bottom w0.15: 311.18,15.33 313.86,12.65 D_112.2
Net-(D_113-Pad2): length 6
  Bottom w0.15: D_113.2 332.91,12.65 330.23,15.33
Net-(D_114-Pad2): length 6
  Bottom w0.15: 349.28,15.33 351.96,12.65 D_114.2
Net-(D_115-Pad2): length 6.5
  Bottom w0.15: 382.62,15.33 386.3,11.65 D_115.2
Net-(D_116-Pad2): length 7.4
  Bottom w0.15: D_116.2 412.1,8.11 412.1,14.42
Net-(D_117-Pad2): length 21.3
  Bottom w0.15: D_117.2 268.4,65.9 271.2,63.1 271.2,59.6 272.6,58.2 275.4,58.2 278.5,61.3 280.08,61.3 K_ANSI_3.2
Net-(R5-Pad2): length 2.2
  Bottom w0.2: R5.2 361.55,115.43 USB1.A5
Net-(R6-Pad2): length 2.1
  Bottom w0.2: USB1.B5 364.55,115.36 R6.2
Net-(rgb1-Pad1): length 4.4
  Top w0.2: rgb1.1 rgb2.3
Net-(rgb2-Pad1): length 14.3
  Top w0.2: rgb2.1 391.3,111.35 380.25,111.35 rgb3.3
Net-(rgb3-Pad1): length 4.4
  Top w0.2: rgb3.1 rgb4.3
Net-(rgb4-Pad1): length 14.3
  Top w0.2: rgb4.1 391.3,106.3 380.25,106.3 rgb5.3
Net-(rgb5-Pad1): length 4.4
  Top w0.2: rgb5.1 rgb6.3

## Copper pours and planes (outline as drawn; the poured copper is in the pictures)
GND on Top, Bottom: 435.1,95.5 329.82,95.5 329.82,124.75 435.1,124.75
GND on Top, Bottom: 440.4,-0.1 -0.1,-0.1 -0.1,124.9 440.4,124.9

## Text on the board
Bottom: We don't talk about uwu… | Did you know that Dom's cats are called Piper and Lyra?
B.Silkscreen: Oh Henlo there.... / I am a MCP23017! | https://github.com/Envious-Data/Env-KB110ADR
Top: Meow | This spacebar is disapointing...
F.Silkscreen: GND / VSYS / SCL / SDA | GND | <Stepped / NonStep> | UART | SPI | I2C | TX | RX | Spare GPIOs | EnvKB110ADR / IOX | General | SDA | CSn | SCL | SCK | RUN | ADC0 | ADC1 | Upside down switch positions on / this row are for 7u spacebar.
